# Altium PCB RTM_SFP.PcbDoc (part 10 of 17) (continued)
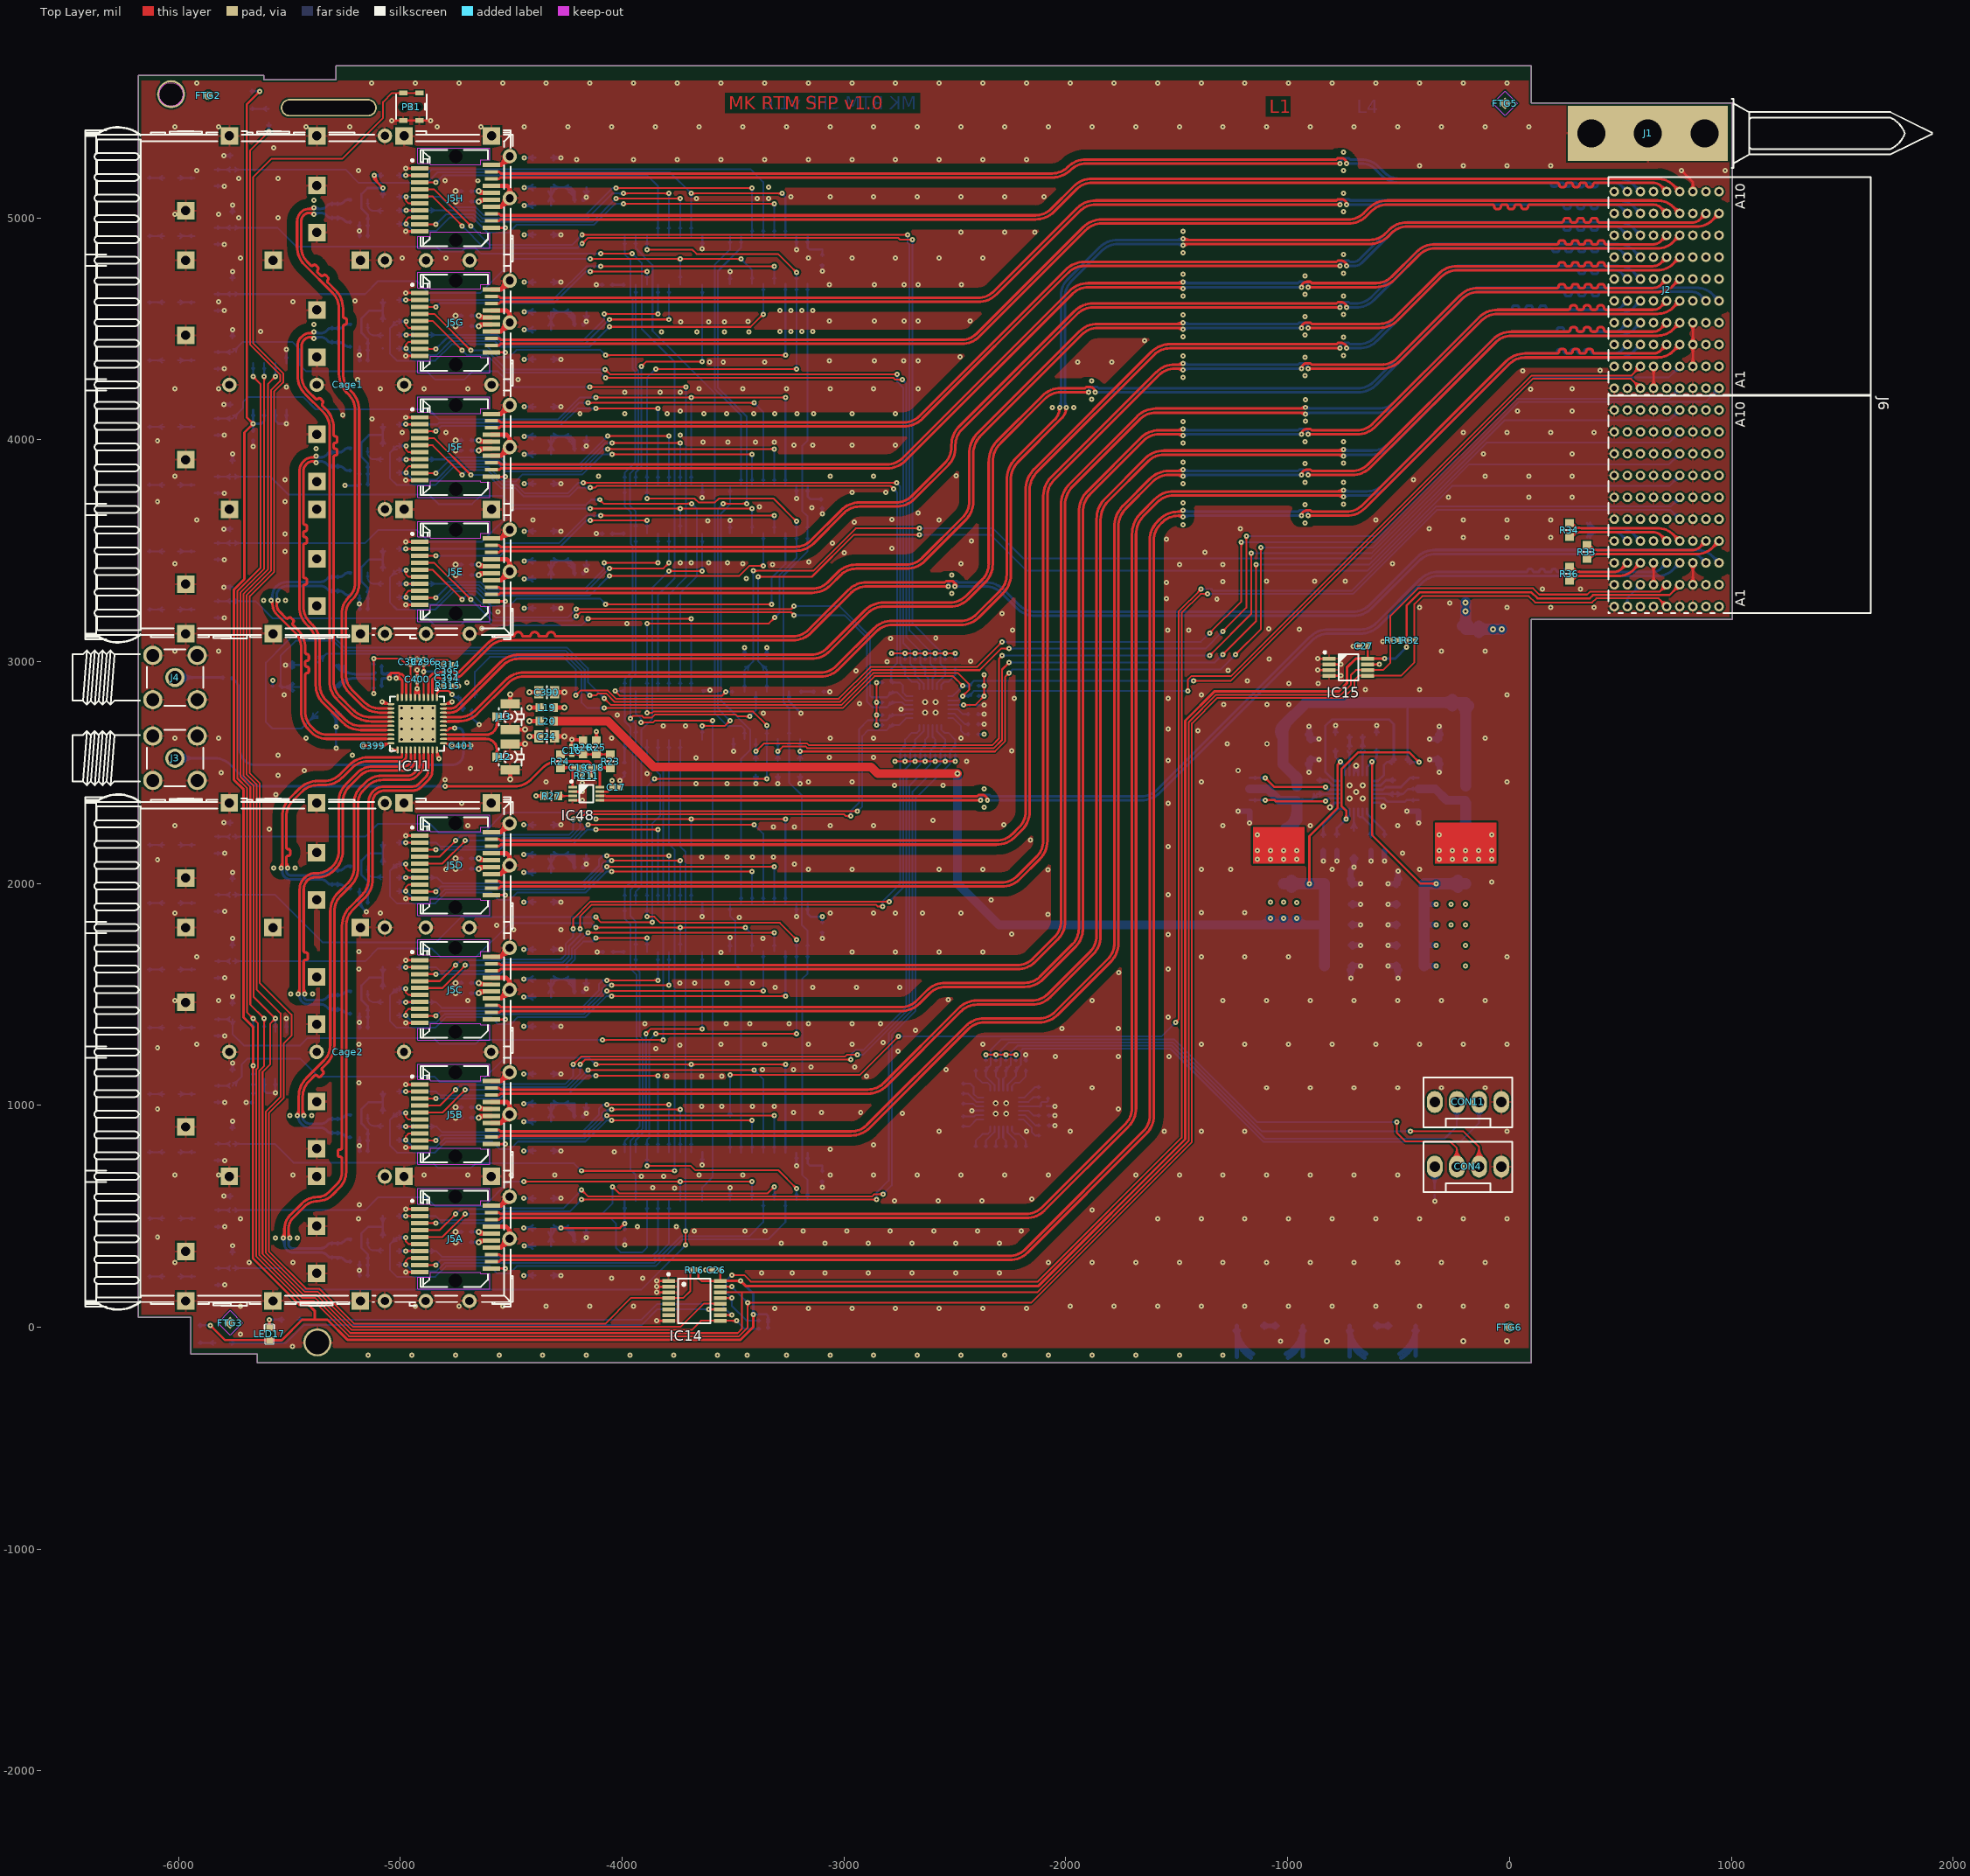
[diagram p0: Top Layer view]
## Nets (pads, with @x,y where several pads share a name; then routed paths per layer and width w, separated by ;. In a path a pad name is that pad's centre, name@x,y a point inside that pad or via, vN(x,y) a via of type N, cw(c..) or ccw(c..) an arc to the next point about the centre after c; other vN are vias at no path point) (continued)
RTM_IO3: IC1.3 J6.C8 R13.2 | length 6160.2
  Top Layer w7.99: v1@-1292.69,3031.53 cw(c-1279.45,3028.82) -1282.95,3041.88 ; v1(-1292.52,3031.5) -1142.52,3181.5 v1(-1142.52,3437.4) ; v1@-1292.48,3031.32 ccw(c-1295.2,3044.56) -1282.14,3041.07 ; -1279.18,3044.84 cw(c-1292.52,3058.18) -1292.52,3039.31 ccw(c-1292.52,3058.18) -1279.18,3044.84 ; -1279.18,3044.84 ccw(c-1265.84,3031.5) -1284.7,3031.5 cw(c-1265.84,3031.5) -1279.18,3044.84 ; -1142.52,3418.53 cw(c-1123.65,3418.53) -1136.99,3431.88 ccw(c-1123.65,3418.53) -1142.52,3418.53 ; -1142.52,3418.53 ccw(c-1161.39,3418.53) -1148.05,3431.88 cw(c-1161.39,3418.53) -1142.52,3418.53
  Top Layer w8: v1@-3298.22,2594.92 cw(c-3284.99,2592.21) -3288.49,2605.25 ; v1@-3297.99,2594.7 ccw(c-3300.7,2607.92) -3287.66,2604.43 ; v1(-3298.03,2594.88) -3276.22,2616.69 -3172.38,2616.69 -3164.57,2608.88 -2325.88,2608.88 -2287.62,2647.14 -2287.62,2964.35 v1(-2255.91,2996.06) ; -2266.27,2986.52 cw(c-2253.24,2983.02) v1@-2255.94,2996.25 ; -2265.45,2985.69 ccw(c-2268.94,2998.73) v1@-2255.72,2996.03 ; -3284.7,2608.22 cw(c-3298.03,2621.55) -3298.03,2602.69 ccw(c-3298.03,2621.55) -3284.7,2608.22 ; -3284.7,2608.22 ccw(c-3271.36,2594.88) -3290.22,2594.88 cw(c-3271.36,2594.88) -3284.7,2608.22 ; -2269.24,2982.73 cw(c-2255.91,2969.39) -2255.91,2988.25 ccw(c-2255.91,2969.39) -2269.24,2982.73 ; -2269.24,2982.73 ccw(c-2282.57,2996.06) -2263.72,2996.06 cw(c-2282.57,2996.06) -2269.24,2982.73
  Bottom Layer w7.99: v1(-1142.52,3437.4) -633.01,3437.4 -623.59,3446.82 ; -620.41,3450 -623.59,3446.82 ; 742.85,3912.69 ccw(c734.52,3943.81) J6.C8@766.08,3937.34 ; 743.4,3912.15 cw(c774.52,3903.81) J6.C8@768.05,3935.37 ; 746.74,3924.64 cw(c771.61,3917.98) J6.C8@766.45,3943.2 ; 755.35,3916.04 ccw(c748.68,3940.91) J6.C8@773.91,3935.74 ; J6.C8@767.72,3937.01 720.08,3889.37 -181.04,3889.37 -623.59,3446.82 ; -1123.65,3437.4 cw(c-1123.65,3456.27) -1136.99,3442.93 ccw(c-1123.65,3456.27) -1123.65,3437.4 ; -1123.65,3437.4 ccw(c-1123.65,3418.53) -1136.99,3431.88 cw(c-1123.65,3418.53) -1123.65,3437.4 ; 737.57,3906.86 cw(c767.72,3876.72) 767.72,3919.35 ccw(c767.72,3876.72) 737.57,3906.86 ; 737.57,3906.86 ccw(c707.43,3937.01) 750.06,3937.01 cw(c707.43,3937.01) 737.57,3906.86 ; 751.22,3920.51 cw(c767.72,3904.01) 767.72,3927.34 ccw(c767.72,3904.01) 751.22,3920.51 ; 751.22,3920.51 ccw(c734.72,3937.01) 758.05,3937.01 cw(c734.72,3937.01) 751.22,3920.51
  Bottom Layer w8: R13.2@-3307.73,2562.85 ccw(c-3331.15,2586.26) -3298.03,2586.26 ccw(c-3264.92,2586.26) R13.2@-3288.33,2562.85 ; v1@-3304.44,2590.42 cw(c-3321.22,2578.73) -3301.47,2573.44 ; IC1.3@-3303.55,2627.35 cw(c-3316.89,2614.02) -3298.03,2614.02 cw(c-3279.17,2614.02) IC1.3@-3292.51,2627.35 ; v1@-3301.94,2588.12 cw(c-3307.56,2578.38) -3296.7,2581.29 ; -3299.36,2581.29 cw(c-3288.5,2578.38) v1@-3294.13,2588.12 ; R13.2@-3298.03,2553.15 v1(-3298.03,2594.88) IC1.3@-3298.03,2651.57 ; -3294.6,2573.44 cw(c-3274.85,2578.73) v1@-3291.62,2590.42 ; v1(-2255.91,2996.06) -1327.95,2996.06 v1(-1292.52,3031.5) ; -3298.03,2576.02 cw(c-3279.17,2576.02) -3292.51,2589.36 ccw(c-3279.17,2576.02) -3298.03,2576.02 ; -3298.03,2576.02 ccw(c-3316.89,2576.02) -3303.55,2589.36 cw(c-3316.89,2576.02) -3298.03,2576.02 ; -3298.03,2613.74 cw(c-3316.89,2613.74) -3303.55,2600.41 ccw(c-3316.89,2613.74) -3298.03,2613.74 ; -3298.03,2613.74 ccw(c-3279.17,2613.74) -3292.51,2600.41 cw(c-3279.17,2613.74) -3298.03,2613.74 ; -2237.05,2996.06 cw(c-2237.05,3014.92) -2250.38,3001.59 ccw(c-2237.05,3014.92) -2237.05,2996.06 ; -2237.05,2996.06 ccw(c-2237.05,2977.21) -2250.38,2990.54 cw(c-2237.05,2977.21) -2237.05,2996.06 ; -1305.85,3018.16 cw(c-1292.52,3004.83) -1292.52,3023.68 ccw(c-1292.52,3004.83) -1305.85,3018.16 ; -1305.85,3018.16 ccw(c-1319.19,3031.5) -1300.33,3031.5 cw(c-1319.19,3031.5) -1305.85,3018.16
RTM_IO4: IC1.9 J6.C9 R2.2 | length 5816.3
  Top Layer w7.99: v1(-3409.84,3409.06) -3138.58,3409.06 -2946.85,3600.79 v1(-2660.24,3600.79) ; -3390.98,3409.06 cw(c-3390.98,3427.92) -3404.32,3414.58 ccw(c-3390.98,3427.92) -3390.98,3409.06 ; -3390.98,3409.06 ccw(c-3390.98,3390.19) -3404.32,3403.53 cw(c-3390.98,3390.19) -3390.98,3409.06 ; -2679.1,3600.79 cw(c-2679.1,3581.92) -2665.76,3595.26 ccw(c-2679.1,3581.92) -2679.1,3600.79 ; -2679.1,3600.79 ccw(c-2679.1,3619.65) -2665.76,3606.31 cw(c-2679.1,3619.65) -2679.1,3600.79
  Bottom Layer w7.99: R2.2@-3457.73,2952.9 cw(c-3481.16,2929.47) -3448.03,2929.47 cw(c-3414.91,2929.47) R2.2@-3438.33,2952.9 ; IC1.9@-3453.56,2888.4 ccw(c-3466.9,2901.74) -3448.03,2901.74 ccw(c-3429.16,2901.74) IC1.9@-3442.51,2888.4 ; IC1.9@-3448.03,2864.17 R2.2@-3448.03,2962.6 -3409.84,3000.79 v1(-3409.84,3409.06) ; R2.2@-3446.06,2976.32 ccw(c-3446.06,3004.69) -3426,2984.63 ; R2.2@-3432.34,2962.6 cw(c-3394.47,2962.6) -3421.25,2989.38 ; v1(-2660.24,3600.79) -2328.4,3600.79 -2192.96,3465.35 -624.86,3465.35 -103.2,3987.01 719.29,3987.01 J6.C9@767.72,4035.43 ; 742.85,4011.11 ccw(c734.52,4042.23) J6.C9@766.08,4035.77 ; 743.4,4010.57 cw(c774.52,4002.23) J6.C9@768.05,4033.79 ; 746.74,4023.06 cw(c771.61,4016.4) J6.C9@766.45,4041.62 ; 755.35,4014.46 ccw(c748.68,4039.33) J6.C9@773.91,4034.17 ; -3409.84,3390.19 cw(c-3390.98,3390.19) -3404.32,3403.53 ccw(c-3390.98,3390.19) -3409.84,3390.19 ; -3409.84,3390.19 ccw(c-3428.71,3390.19) -3415.37,3403.53 cw(c-3428.71,3390.19) -3409.84,3390.19 ; -2641.37,3600.79 cw(c-2641.37,3619.65) -2654.71,3606.31 ccw(c-2641.37,3619.65) -2641.37,3600.79 ; -2641.37,3600.79 ccw(c-2641.37,3581.92) -2654.71,3595.26 cw(c-2641.37,3581.92) -2641.37,3600.79 ; 737.57,4005.29 cw(c767.72,3975.15) 767.72,4017.78 ccw(c767.72,3975.15) 737.57,4005.29 ; 737.57,4005.29 ccw(c707.43,4035.43) 750.06,4035.43 cw(c707.43,4035.43) 737.57,4005.29 ; 751.22,4018.93 cw(c767.72,4002.43) 767.72,4025.77 ccw(c767.72,4002.43) 751.22,4018.93 ; 751.22,4018.93 ccw(c734.72,4035.43) 758.05,4035.43 cw(c734.72,4035.43) 751.22,4018.93
RTM_IO5: IC1.5 J6.C10 R3.2 | length 6372.1
  Top Layer w7.99: v1@-1352.14,3027.2 cw(c-1338.9,3024.49) -1342.4,3037.54 ; v1(-1351.97,3027.17) -1164.57,3214.57 v1(-1164.57,3488.98) ; v1@-1351.93,3026.99 ccw(c-1354.64,3040.23) -1341.59,3036.73 ; -1338.63,3040.51 cw(c-1351.97,3053.85) -1351.97,3034.98 ccw(c-1351.97,3053.85) -1338.63,3040.51 ; -1338.63,3040.51 ccw(c-1325.29,3027.17) -1344.15,3027.17 cw(c-1325.29,3027.17) -1338.63,3040.51 ; -1164.57,3470.11 cw(c-1145.7,3470.11) -1159.04,3483.45 ccw(c-1145.7,3470.11) -1164.57,3470.11 ; -1164.57,3470.11 ccw(c-1183.43,3470.11) -1170.09,3483.45 cw(c-1183.43,3470.11) -1164.57,3470.11
  Top Layer w8: v1@-3397.82,2594.92 cw(c-3384.6,2592.21) -3388.09,2605.25 ; v1@-3397.6,2594.7 ccw(c-3400.31,2607.92) -3387.27,2604.43 ; v1(-3397.64,2594.88) -3361.83,2630.69 -3165.73,2630.69 -3157.92,2622.88 -2331.68,2622.88 -2301.62,2652.94 -2301.62,3012.55 v1(-2287.01,3027.17) ; -2297.38,3017.62 cw(c-2284.34,3014.13) v1@-2287.05,3027.35 ; -2296.55,3016.8 ccw(c-2300.05,3029.84) v1@-2286.82,3027.13 ; -3384.3,2608.22 cw(c-3397.64,2621.55) -3397.64,2602.69 ccw(c-3397.64,2621.55) -3384.3,2608.22 ; -3384.3,2608.22 ccw(c-3370.97,2594.88) -3389.83,2594.88 cw(c-3370.97,2594.88) -3384.3,2608.22 ; -2300.34,3013.83 cw(c-2287.01,3000.5) -2287.01,3019.35 ccw(c-2287.01,3000.5) -2300.34,3013.83 ; -2300.34,3013.83 ccw(c-2313.68,3027.17) -2294.82,3027.17 cw(c-2313.68,3027.17) -2300.34,3013.83
  Bottom Layer w7.99: v1(-1164.57,3488.98) -621.03,3488.98 -459.33,3650.67 -22.21,4087.8 721.65,4087.8 J6.C10@767.72,4133.86 ; 742.85,4109.54 ccw(c734.52,4140.66) J6.C10@766.08,4134.19 ; 743.4,4109 cw(c774.52,4100.66) J6.C10@768.05,4132.22 ; 746.74,4121.49 cw(c771.61,4114.83) J6.C10@766.45,4140.05 ; 755.35,4112.89 ccw(c748.68,4137.76) J6.C10@773.91,4132.59 ; -1145.7,3488.98 cw(c-1145.7,3507.84) -1159.04,3494.5 ccw(c-1145.7,3507.84) -1145.7,3488.98 ; -1145.7,3488.98 ccw(c-1145.7,3470.11) -1159.04,3483.45 cw(c-1145.7,3470.11) -1145.7,3488.98 ; 737.57,4103.72 cw(c767.72,4073.57) 767.72,4116.2 ccw(c767.72,4073.57) 737.57,4103.72 ; 737.57,4103.72 ccw(c707.43,4133.86) 750.06,4133.86 cw(c707.43,4133.86) 737.57,4103.72 ; 751.22,4117.36 cw(c767.72,4100.86) 767.72,4124.19 ccw(c767.72,4100.86) 751.22,4117.36 ; 751.22,4117.36 ccw(c734.72,4133.86) 758.05,4133.86 cw(c734.72,4133.86) 751.22,4117.36
  Bottom Layer w8: R3.2@-3407.34,2562.85 ccw(c-3430.75,2586.26) -3397.64,2586.26 ccw(c-3364.52,2586.26) R3.2@-3387.94,2562.85 ; v1@-3404.05,2590.42 cw(c-3420.82,2578.73) -3401.07,2573.44 ; IC1.5@-3403.55,2627.35 cw(c-3417.84,2613.07) -3397.64,2613.07 ; v1@-3401.54,2588.12 cw(c-3407.16,2578.38) -3396.31,2581.29 ; -3398.97,2581.29 cw(c-3388.11,2578.38) v1@-3393.73,2588.12 ; R3.2@-3397.64,2553.15 v1(-3397.64,2594.88) IC1.5@-3397.64,2651.18 ; -3397.64,2614.97 cw(c-3380.12,2614.97) IC1.5@-3392.51,2627.35 ; -3394.2,2573.44 cw(c-3374.45,2578.73) v1@-3391.23,2590.42 ; v1(-2287.01,3027.17) v1(-1351.97,3027.17) ; -3397.64,2576.02 cw(c-3378.78,2576.02) -3392.11,2589.36 ccw(c-3378.78,2576.02) -3397.64,2576.02 ; -3397.64,2576.02 ccw(c-3416.5,2576.02) -3403.16,2589.36 cw(c-3416.5,2576.02) -3397.64,2576.02 ; -3397.64,2613.74 cw(c-3416.5,2613.74) -3403.16,2600.41 ccw(c-3416.5,2613.74) -3397.64,2613.74 ; -3397.64,2613.74 ccw(c-3378.78,2613.74) -3392.11,2600.41 cw(c-3378.78,2613.74) -3397.64,2613.74 ; -2268.15,3027.17 cw(c-2268.15,3046.02) -2281.48,3032.69 ccw(c-2268.15,3046.02) -2268.15,3027.17 ; -2268.15,3027.17 ccw(c-2268.15,3008.31) -2281.48,3021.64 cw(c-2268.15,3008.31) -2268.15,3027.17 ; -1370.83,3027.17 cw(c-1370.83,3008.31) -1357.49,3021.64 ccw(c-1370.83,3008.31) -1370.83,3027.17 ; -1370.83,3027.17 ccw(c-1370.83,3046.02) -1357.49,3032.69 cw(c-1370.83,3046.02) -1370.83,3027.17
RTM_IO6: IC1.1 J2.A1 R4.2 | length 6368.5
  Top Layer w7.99: v1@-1235.61,3031.53 cw(c-1222.37,3028.82) -1225.86,3041.88 ; v1@-1235.4,3031.32 ccw(c-1238.11,3044.56) -1225.05,3041.07 ; v1(-1235.43,3031.5) -1120.47,3146.46 v1(-1120.47,3514.17) ; -1222.09,3044.84 cw(c-1235.43,3058.18) -1235.43,3039.31 ccw(c-1235.43,3058.18) -1222.09,3044.84 ; -1222.09,3044.84 ccw(c-1208.75,3031.5) -1227.62,3031.5 cw(c-1208.75,3031.5) -1222.09,3044.84 ; -1120.47,3495.31 cw(c-1101.61,3495.31) -1114.95,3508.65 ccw(c-1101.61,3495.31) -1120.47,3495.31 ; -1120.47,3495.31 ccw(c-1139.34,3495.31) -1126,3508.65 cw(c-1139.34,3495.31) -1120.47,3495.31
  Top Layer w8: v1(-3198.03,2594.88) -2320.08,2594.88 -2273.62,2641.34 -2273.62,2931.5 v1(-2255.91,2949.21) ; -2266.27,2939.67 cw(c-2253.24,2936.17) v1@-2255.94,2949.4 ; -2265.45,2938.84 ccw(c-2268.94,2951.88) v1@-2255.72,2949.17 ; -3179.17,2594.88 cw(c-3179.17,2613.74) -3192.51,2600.41 ccw(c-3179.17,2613.74) -3179.17,2594.88 ; -3179.17,2594.88 ccw(c-3179.17,2576.02) -3192.51,2589.36 cw(c-3179.17,2576.02) -3179.17,2594.88 ; -2269.24,2935.88 cw(c-2255.91,2922.54) -2255.91,2941.4 ccw(c-2255.91,2922.54) -2269.24,2935.88 ; -2269.24,2935.88 ccw(c-2282.57,2949.21) -2263.72,2949.21 cw(c-2282.57,2949.21) -2269.24,2935.88
  Bottom Layer w7.99: v1(-1120.47,3514.17) -615.63,3514.17 -469.23,3660.57 40.22,4170.03 882.63,4170.03 J2.A1@944.88,4232.28 ; 920.02,4207.96 ccw(c911.68,4239.08) J2.A1@943.24,4232.62 ; 920.56,4207.42 cw(c951.68,4199.08) J2.A1@945.22,4230.64 ; 923.91,4219.91 cw(c948.78,4213.25) J2.A1@943.61,4238.47 ; 932.51,4211.31 ccw(c925.85,4236.18) J2.A1@951.07,4231.02 ; -1101.61,3514.17 cw(c-1101.61,3533.04) -1114.95,3519.7 ccw(c-1101.61,3533.04) -1101.61,3514.17 ; -1101.61,3514.17 ccw(c-1101.61,3495.31) -1114.95,3508.65 cw(c-1101.61,3495.31) -1101.61,3514.17 ; 914.74,4202.14 cw(c944.88,4172) 944.88,4214.63 ccw(c944.88,4172) 914.74,4202.14 ; 914.74,4202.14 ccw(c884.6,4232.28) 927.22,4232.28 cw(c884.6,4232.28) 914.74,4202.14 ; 928.38,4215.78 cw(c944.88,4199.28) 944.88,4222.62 ccw(c944.88,4199.28) 928.38,4215.78 ; 928.38,4215.78 ccw(c911.88,4232.28) 935.22,4232.28 cw(c911.88,4232.28) 928.38,4215.78
  Bottom Layer w8: R4.2@-3207.73,2562.85 ccw(c-3231.15,2586.26) -3198.03,2586.26 ccw(c-3164.92,2586.26) R4.2@-3188.33,2562.85 ; v1@-3204.44,2590.42 cw(c-3221.22,2578.73) -3201.47,2573.44 ; IC1.1@-3203.55,2627.35 cw(c-3216.89,2614.02) -3198.03,2614.02 cw(c-3179.17,2614.02) IC1.1@-3192.51,2627.35 ; v1@-3201.94,2588.12 cw(c-3207.56,2578.38) -3196.7,2581.29 ; -3199.36,2581.29 cw(c-3188.5,2578.38) v1@-3194.13,2588.12 ; R4.2@-3198.03,2553.15 v1(-3198.03,2594.88) IC1.1@-3198.03,2651.57 ; -3194.6,2573.44 cw(c-3174.85,2578.73) v1@-3191.62,2590.42 ; v1(-2255.91,2949.21) -2240.16,2964.96 -1301.97,2964.96 v1(-1235.43,3031.5) ; -3198.03,2576.02 cw(c-3179.17,2576.02) -3192.51,2589.36 ccw(c-3179.17,2576.02) -3198.03,2576.02 ; -3198.03,2576.02 ccw(c-3216.89,2576.02) -3203.55,2589.36 cw(c-3216.89,2576.02) -3198.03,2576.02 ; -3198.03,2613.74 cw(c-3216.89,2613.74) -3203.55,2600.41 ccw(c-3216.89,2613.74) -3198.03,2613.74 ; -3198.03,2613.74 ccw(c-3179.17,2613.74) -3192.51,2600.41 cw(c-3179.17,2613.74) -3198.03,2613.74 ; -2242.57,2962.55 cw(c-2255.91,2975.88) -2255.91,2957.02 ccw(c-2255.91,2975.88) -2242.57,2962.55 ; -2242.57,2962.55 ccw(c-2229.24,2949.21) -2248.09,2949.21 cw(c-2229.24,2949.21) -2242.57,2962.55 ; -1248.77,3018.16 cw(c-1235.43,3004.83) -1235.43,3023.68 ccw(c-1235.43,3004.83) -1248.77,3018.16 ; -1248.77,3018.16 ccw(c-1262.1,3031.5) -1243.24,3031.5 cw(c-1262.1,3031.5) -1248.77,3018.16
RTM_IO7: J2.A2
RTM_IO8: J2.C1 R391.2 | length 7431.6
  Top Layer w7.99: v1@-4208.83,2847.67 cw(c-4195.59,2844.96) -4199.09,2858.02 ; v1(-4208.66,2847.64) -4185.85,2870.44 -4066.67,2870.44 -4028.75,2832.53 -3023.58,2832.53 -2880.08,2976.03 -2474.64,2976.03 -2474.02,2975.41 -2400.97,2975.41 v1(-2287.01,3089.37) ; v1@-4208.63,2847.46 ccw(c-4211.34,2860.7) -4198.28,2857.21 ; -2297.39,3079.8 cw(c-2284.33,3076.3) v1@-2287.04,3089.54 ; -2296.58,3078.99 ccw(c-2300.07,3092.05) v1@-2286.83,3089.33 ; v1@-1352.14,3128.78 cw(c-1338.57,3125.75) -1342.17,3139.18 ; v1@-1351.94,3128.57 ccw(c-1354.34,3141.48) -1341.65,3138.08 ; v1@-1351.77,3128.54 -1208.66,3271.65 v1(-1208.66,3537.8) ; -4195.32,2860.98 cw(c-4208.66,2874.32) -4208.66,2855.45 ccw(c-4208.66,2874.32) -4195.32,2860.98 ; -4195.32,2860.98 ccw(c-4181.98,2847.64) -4200.85,2847.64 cw(c-4181.98,2847.64) -4195.32,2860.98 ; -2300.35,3076.03 cw(c-2287.01,3062.69) -2287.01,3081.56 ccw(c-2287.01,3062.69) -2300.35,3076.03 ; -2300.35,3076.03 ccw(c-2313.69,3089.37) -2294.82,3089.37 cw(c-2313.69,3089.37) -2300.35,3076.03 ; -1208.66,3518.93 cw(c-1189.79,3518.93) -1203.14,3532.27 ccw(c-1189.79,3518.93) -1208.66,3518.93 ; -1208.66,3518.93 ccw(c-1227.53,3518.93) -1214.19,3532.27 cw(c-1227.53,3518.93) -1208.66,3518.93 ; v1@-1351.97,3136.56 ccw(c-1351.97,3156.37) -1337.96,3142.36 cw(c-1351.97,3156.37) v1@-1351.97,3136.56 ; v1@-1344.15,3128.74 cw(c-1326.24,3128.74) -1338.91,3141.41 ccw(c-1326.24,3128.74) v1@-1344.15,3128.74
  Bottom Layer w7.99: R391.2@-4673.48,2849.86 ccw(c-4696.9,2873.28) -4663.78,2873.28 ccw(c-4630.66,2873.28) R391.2@-4654.08,2849.86 ; R391.2@-4663.78,2838.19 -4663.78,2953.94 -4596.67,3021.05 -4265.93,3021.05 -4208.66,2963.78 v1(-4208.66,2847.64) ; v1@-2290.94,3089.37 -1391.34,3089.37 v1(-1351.97,3128.74) ; v1(-1208.66,3537.8) -611.81,3537.8 -479.13,3670.47 34.43,4184.03 719.46,4184.03 J2.C1@767.72,4232.28 ; 742.85,4207.96 ccw(c734.52,4239.08) J2.C1@766.08,4232.62 ; 743.4,4207.42 cw(c774.52,4199.08) J2.C1@768.05,4230.64 ; 746.74,4219.91 cw(c771.61,4213.25) J2.C1@766.45,4238.47 ; 755.35,4211.31 ccw(c748.68,4236.18) J2.C1@773.91,4231.02 ; -4208.66,2866.5 cw(c-4227.53,2866.5) -4214.19,2853.16 ccw(c-4227.53,2866.5) -4208.66,2866.5 ; -4208.66,2866.5 ccw(c-4189.79,2866.5) -4203.14,2853.16 cw(c-4189.79,2866.5) -4208.66,2866.5 ; -2268.14,3089.37 cw(c-2268.14,3108.24) -2281.48,3094.9 ccw(c-2268.14,3108.24) -2268.14,3089.37 ; -2268.14,3089.37 ccw(c-2268.14,3070.5) -2281.48,3083.84 cw(c-2268.14,3070.5) -2268.14,3089.37 ; -1365.31,3115.4 cw(c-1351.97,3102.06) -1351.97,3120.93 ccw(c-1351.97,3102.06) -1365.31,3115.4 ; -1365.31,3115.4 ccw(c-1378.65,3128.74) -1359.78,3128.74 cw(c-1378.65,3128.74) -1365.31,3115.4 ; -1189.79,3537.8 cw(c-1189.79,3556.66) -1203.14,3543.32 ccw(c-1189.79,3556.66) -1189.79,3537.8 ; -1189.79,3537.8 ccw(c-1189.79,3518.93) -1203.14,3532.27 cw(c-1189.79,3518.93) -1189.79,3537.8 ; 737.57,4202.14 cw(c767.72,4172) 767.72,4214.63 ccw(c767.72,4172) 737.57,4202.14 ; 737.57,4202.14 ccw(c707.43,4232.28) 750.06,4232.28 cw(c707.43,4232.28) 737.57,4202.14 ; 751.22,4215.78 cw(c767.72,4199.28) 767.72,4222.62 ccw(c767.72,4199.28) 751.22,4215.78 ; 751.22,4215.78 ccw(c734.72,4232.28) 758.05,4232.28 cw(c734.72,4232.28) 751.22,4215.78
RTM_IO9: J2.C2 OSC1.2 R311.1 | length 8646.7
  Top Layer w7.99: v1(-4145.28,2847.64) -4117.72,2847.64 -4108.9,2856.45 -4072.46,2856.45 -4034.55,2818.54 -3017.79,2818.54 -2874.28,2962.04 -2480.44,2962.04 -2479.82,2961.42 -2388.58,2961.42 -2291.73,3058.27 v1(-2255.91,3058.27) ; v1@-1292.91,3136.22 -1186.61,3242.52 v1(-1186.61,3564.96) ; v1@-1292.69,3135.86 cw(c-1280.1,3133.75) -1283.41,3146.08 ; v1@-1292.48,3135.65 ccw(c-1295.83,3149.55) -1282.02,3145.85 ; -4126.41,2847.64 cw(c-4126.41,2866.5) -4139.75,2853.16 ccw(c-4126.41,2866.5) -4126.41,2847.64 ; -4126.41,2847.64 ccw(c-4126.41,2828.77) -4139.75,2842.11 cw(c-4126.41,2828.77) -4126.41,2847.64 ; -2274.77,3058.27 cw(c-2274.77,3039.4) -2261.43,3052.74 ccw(c-2274.77,3039.4) -2274.77,3058.27 ; -2274.77,3058.27 ccw(c-2274.77,3077.13) -2261.43,3063.79 cw(c-2274.77,3077.13) -2274.77,3058.27 ; -1186.61,3546.09 cw(c-1167.75,3546.09) -1181.09,3559.43 ccw(c-1167.75,3546.09) -1186.61,3546.09 ; -1186.61,3546.09 ccw(c-1205.48,3546.09) -1192.14,3559.43 cw(c-1205.48,3546.09) -1186.61,3546.09 ; v1@-1292.52,3143.64 ccw(c-1292.52,3160.61) -1280.52,3148.61 cw(c-1292.52,3160.61) v1@-1292.52,3143.64 ; v1@-1284.7,3135.83 cw(c-1263.94,3135.83) -1278.62,3150.51 ccw(c-1263.94,3135.83) v1@-1284.7,3135.83
  Bottom Layer w7.99: R311.1@-5546.08,2890.17 ccw(c-5559.42,2903.51) -5540.55,2903.51 ccw(c-5521.68,2903.51) -5535.03,2890.17 ccw(c-5521.68,2903.51) -5521.68,2884.65 ccw(c-5521.68,2865.78) R311.1@-5535.03,2879.12 ; OSC1.2@-5484.81,2863.81 ccw(c-5535.12,2813.5) -5535.12,2884.65 ccw(c-5535.12,2955.79) OSC1.2@-5484.81,2905.48 ; OSC1.2@-5479.16,2869.46 ccw(c-5515.82,2832.8) -5515.82,2884.65 ccw(c-5515.82,2936.49) OSC1.2@-5479.16,2899.83 ; OSC1.2@-5455.12,2884.65 R311.1@-5540.55,2884.65 -5540.55,3025.98 -5472.44,3094.09 -5303.05,3094.09 -5258.77,3049.82 -4255.13,3049.82 -4168.87,2963.56 -4168.87,2871.23 v1(-4145.28,2847.64) ; v1(-2255.91,3058.27) -1370.87,3058.27 v1@-1292.91,3136.22 ; v1(-1186.61,3564.96) -604.43,3564.96 -489.03,3680.37 112.32,4281.72 718.72,4281.72 J2.C2@767.72,4330.71 ; 742.85,4306.39 ccw(c734.52,4337.51) J2.C2@766.08,4331.04 ; 743.4,4305.85 cw(c774.52,4297.51) J2.C2@768.05,4329.07 ; 746.74,4318.34 cw(c771.61,4311.68) J2.C2@766.45,4336.9 ; 755.35,4309.74 ccw(c748.68,4334.61) J2.C2@773.91,4329.44 ; -4158.62,2860.98 cw(c-4171.96,2847.64) -4153.09,2847.64 ccw(c-4171.96,2847.64) -4158.62,2860.98 ; -4158.62,2860.98 ccw(c-4145.28,2874.32) -4145.28,2855.45 cw(c-4145.28,2874.32) -4158.62,2860.98 ; -2237.04,3058.27 cw(c-2237.04,3077.13) -2250.38,3063.79 ccw(c-2237.04,3077.13) -2237.04,3058.27 ; -2237.04,3058.27 ccw(c-2237.04,3039.4) -2250.38,3052.74 cw(c-2237.04,3039.4) -2237.04,3058.27 ; -1167.75,3564.96 cw(c-1167.75,3583.83) -1181.09,3570.49 ccw(c-1167.75,3583.83) -1167.75,3564.96 ; -1167.75,3564.96 ccw(c-1167.75,3546.09) -1181.09,3559.43 cw(c-1167.75,3546.09) -1167.75,3564.96 ; 737.57,4300.57 cw(c767.72,4270.42) 767.72,4313.05 ccw(c767.72,4270.42) 737.57,4300.57 ; 737.57,4300.57 ccw(c707.43,4330.71) 750.06,4330.71 cw(c707.43,4330.71) 737.57,4300.57 ; 751.22,4314.21 cw(c767.72,4297.71) 767.72,4321.04 ccw(c767.72,4297.71) 751.22,4314.21 ; 751.22,4314.21 ccw(c734.72,4330.71) 758.05,4330.71 cw(c734.72,4330.71) 751.22,4314.21 ; -1307.2,3121.93 cw(c-1292.52,3107.24) -1292.52,3128.01 ccw(c-1292.52,3107.24) -1307.2,3121.93 ; -1305.3,3123.83 ccw(c-1317.3,3135.83) -1300.33,3135.83 cw(c-1317.3,3135.83) -1305.3,3123.83
  other v1: -1292.52,3135.83
RTM_IO10: IC39.19 J2.E1 OSC1.8 R325.1 | length 7944.5
  Top Layer w7.99: v1(-4081.5,2790.55) -3006.2,2790.55 -2862.69,2934.06 -2508.27,2934.06 v1(-2464.76,2890.55) ; -2475.14,2900.12 ccw(c-2462.09,2903.62) v1@-2464.8,2890.38 ; -2474.33,2900.93 cw(c-2477.83,2887.88) v1@-2464.59,2890.59 ; -4062.63,2790.55 cw(c-4062.63,2809.42) -4075.97,2796.08 ccw(c-4062.63,2809.42) -4062.63,2790.55 ; -4062.63,2790.55 ccw(c-4062.63,2771.68) -4075.97,2785.03 cw(c-4062.63,2771.68) -4062.63,2790.55 ; -2478.1,2903.89 cw(c-2491.45,2890.55) -2472.58,2890.55 ccw(c-2491.45,2890.55) -2478.1,2903.89 ; -2478.1,2903.89 ccw(c-2464.76,2917.23) -2464.76,2898.37 cw(c-2464.76,2917.23) -2478.1,2903.89
  Top Layer w8: v1(-1423.62,2913.78) -1256.58,2913.78 104.22,4274.59 548.25,4274.59 J2.E1@590.55,4232.28 ; 565.73,4256.59 cw(c557.39,4225.49) J2.E1@588.93,4231.95 ; 566.25,4257.11 ccw(c597.34,4265.44) J2.E1@590.88,4233.9 ; 569.6,4244.6 ccw(c594.44,4251.26) J2.E1@589.28,4226.07 ; 578.23,4253.24 cw(c571.57,4228.4) J2.E1@596.77,4233.56 ; -1404.76,2913.78 cw(c-1404.76,2932.64) -1418.1,2919.3 ccw(c-1404.76,2932.64) -1404.76,2913.78 ; -1404.76,2913.78 ccw(c-1404.76,2894.92) -1418.1,2908.26 cw(c-1404.76,2894.92) -1404.76,2913.78 ; 560.41,4262.42 cw(c530.28,4232.28) 572.9,4232.28 ccw(c530.28,4232.28) 560.41,4262.42 ; 560.41,4262.42 ccw(c590.55,4292.56) 590.55,4249.94 cw(c590.55,4292.56) 560.41,4262.42 ; 574.07,4248.76 cw(c557.59,4232.28) 580.9,4232.28 ccw(c557.59,4232.28) 574.07,4248.76 ; 574.07,4248.76 ccw(c590.55,4265.24) 590.55,4241.94 cw(c590.55,4265.24) 574.07,4248.76
  Bottom Layer w7.99: OSC1.8@-5372.44,2996.95 -5333.56,3035.83 ; OSC1.8@-5370.85,3015.28 ccw(c-5367.2,3046.15) -5345.22,3024.17 ; OSC1.8@-5369.91,3023.22 ccw(c-5364.74,3067) -5333.56,3035.82 ; OSC1.8@-5350.85,3001.77 cw(c-5310.36,3001.77) -5338.99,3030.4 ; v1(-4081.5,2790.55) -4157.87,2790.55 -4182.86,2815.54 -4182.86,2957.76 -4260.92,3035.83 -5333.56,3035.83 ; IC39.19@-2530.26,2843.31 -2512,2843.31 v1(-2464.76,2890.55) R325.1@-2434.65,2890.55 -2434.65,2892.88 -2413.75,2913.78 v1(-1423.62,2913.78) ; IC39.19@-2519.43,2844.24 ccw(c-2519.43,2864.42) -2505.16,2850.15 ; v1@-2458.44,2885.96 cw(c-2451.25,2880.75) -2448.95,2889.33 ; v1@-2458.44,2895.14 ccw(c-2451.25,2900.35) -2448.95,2891.77 ; v1@-2458,2886.64 cw(c-2450.27,2882.18) -2452.58,2890.8 ; v1@-2458,2894.46 ccw(c-2450.27,2898.92) -2452.58,2890.3 ; -2450.46,2889.33 cw(c-2448.16,2880.75) R325.1@-2440.97,2885.96 ; -2450.46,2891.77 ccw(c-2448.16,2900.35) R325.1@-2440.97,2895.14 ; -2446.83,2890.3 ccw(c-2449.14,2898.92) R325.1@-2441.41,2894.46 ; -2446.83,2890.8 cw(c-2449.14,2882.18) R325.1@-2441.41,2886.64 ; R325.1@-2440.17,2885.03 ccw(c-2453.51,2871.68) -2453.51,2890.55 ccw(c-2453.51,2909.42) R325.1@-2440.17,2896.08 ; R325.1@-2434.65,2898.37 ccw(c-2434.65,2911.61) R325.1@-2425.28,2902.24 ; R325.1@-2426.83,2890.55 cw(c-2402.34,2890.55) -2419.66,2907.87 ; -4100.36,2790.55 cw(c-4100.36,2771.68) -4087.02,2785.03 ccw(c-4100.36,2771.68) -4100.36,2790.55 ; -4100.36,2790.55 ccw(c-4100.36,2809.42) -4087.02,2796.08 cw(c-4100.36,2809.42) -4100.36,2790.55 ; -2478.1,2877.21 cw(c-2464.76,2863.87) -2464.76,2882.74 ccw(c-2464.76,2863.87) -2478.1,2877.21 ; -2478.1,2877.21 ccw(c-2491.45,2890.55) -2472.58,2890.55 cw(c-2491.45,2890.55) -2478.1,2877.21 ; R325.1@-2445.9,2890.55 cw(c-2445.9,2909.42) -2459.24,2896.08 ccw(c-2445.9,2909.42) R325.1@-2445.9,2890.55 ; R325.1@-2445.9,2890.55 ccw(c-2445.9,2871.68) -2459.24,2885.03 cw(c-2445.9,2871.68) R325.1@-2445.9,2890.55 ; -1442.49,2913.78 cw(c-1442.49,2894.91) -1429.15,2908.25 ccw(c-1442.49,2894.91) -1442.49,2913.78 ; -1442.49,2913.78 ccw(c-1442.49,2932.65) -1429.15,2919.31 cw(c-1442.49,2932.65) -1442.49,2913.78
RTM_IO11: IC39.20 J2.E2 OSC1.7 R324.1 | length 8902.7
  Top Layer w7.99: v1@-4081.67,2834.61 ccw(c-4068.43,2837.32) -4071.93,2824.27 ; v1(-4081.5,2834.65) -4051.39,2804.54 -3011.99,2804.54 -2868.49,2948.05 -2486.24,2948.05 -2434.65,2896.46 -2434.65,2875.2 v1(-2464.76,2845.08) ; v1@-4081.46,2834.82 cw(c-4084.17,2821.58) -4071.12,2825.08 ; v1@-2464.94,2845.11 cw(c-2451.7,2842.4) -2455.19,2855.46 ; v1@-2464.73,2844.91 ccw(c-2467.44,2858.15) -2454.38,2854.65 ; v1(-1450.43,2866.89) -1450.43,2917.81 -1432.65,2935.59 -1254.57,2935.59 98.43,4288.58 548.43,4288.58 J2.E2@590.55,4330.71 ; 565.69,4306.39 ccw(c557.35,4337.51) J2.E2@588.91,4331.04 ; 566.23,4305.85 cw(c597.35,4297.51) J2.E2@590.89,4329.07 ; 569.58,4318.34 cw(c594.45,4311.68) J2.E2@589.28,4336.9 ; 578.18,4309.74 ccw(c571.52,4334.61) J2.E2@596.74,4329.44 ; -4068.16,2821.3 cw(c-4054.81,2834.65) -4073.68,2834.65 ccw(c-4054.81,2834.65) -4068.16,2821.3 ; -4068.16,2821.3 ccw(c-4081.5,2807.96) -4081.5,2826.83 cw(c-4081.5,2807.96) -4068.16,2821.3 ; -2451.42,2858.42 cw(c-2464.76,2871.76) -2464.76,2852.89 ccw(c-2464.76,2871.76) -2451.42,2858.42 ; -2451.42,2858.42 ccw(c-2438.08,2845.08) -2456.95,2845.08 cw(c-2438.08,2845.08) -2451.42,2858.42 ; -1450.43,2885.76 cw(c-1469.3,2885.76) -1455.96,2872.42 ccw(c-1469.3,2885.76) -1450.43,2885.76 ; -1450.43,2885.76 ccw(c-1431.57,2885.76) -1444.91,2872.42 cw(c-1431.57,2885.76) -1450.43,2885.76 ; 560.41,4300.57 cw(c590.55,4270.42) 590.55,4313.05 ccw(c590.55,4270.42) 560.41,4300.57 ; 560.41,4300.57 ccw(c530.26,4330.71) 572.89,4330.71 cw(c530.26,4330.71) 560.41,4300.57 ; 574.05,4314.21 cw(c590.55,4297.71) 590.55,4321.04 ccw(c590.55,4297.71) 574.05,4314.21 ; 574.05,4314.21 ccw(c557.55,4330.71) 580.89,4330.71 cw(c557.55,4330.71) 574.05,4314.21
  Bottom Layer w7.99: -5417.54,2727.24 cw(c-5372.44,2682.15) OSC1.7@-5372.44,2745.92 ; -5405.89,2738.89 ccw(c-5434.53,2767.52) OSC1.7@-5394.04,2767.52 ; -5403.89,2740.89 cw(c-5372.44,2709.43) OSC1.7@-5372.44,2753.92 ; OSC1.7@-5372.44,2772.34 -5446.36,2698.43 -5577.17,2698.43 -5606.3,2727.56 -5606.3,2995.67 -5520.08,3081.89 -5493.87,3108.09 -5297.25,3108.09 -5252.98,3063.81 -4249.33,3063.81 -4154.87,2969.36 -4154.87,2908.02 v1(-4081.5,2834.65) ; IC39.20@-2530.26,2823.63 -2486.21,2823.63 v1(-2464.76,2845.08) R324.1@-2434.65,2845.08 -2434.65,2847.41 -2415.17,2866.89 v1(-1450.43,2866.89) ; v1@-2458.44,2840.49 cw(c-2451.25,2835.28) -2448.95,2843.86 ; v1@-2458.44,2849.67 ccw(c-2451.25,2854.88) -2448.95,2846.3 ; v1@-2458,2841.17 cw(c-2450.27,2836.71) -2452.58,2845.33 ; v1@-2458,2848.99 ccw(c-2450.27,2853.45) -2452.58,2844.83 ; -2450.46,2843.86 cw(c-2448.16,2835.28) R324.1@-2440.97,2840.49 ; -2450.46,2846.3 ccw(c-2448.16,2854.88) R324.1@-2440.97,2849.67 ; -2446.83,2844.83 ccw(c-2449.14,2853.45) R324.1@-2441.41,2848.99 ; -2446.83,2845.33 cw(c-2449.14,2836.71) R324.1@-2441.41,2841.17 ; R324.1@-2440.17,2839.55 ccw(c-2453.51,2826.21) -2453.51,2845.08 ccw(c-2453.51,2863.95) R324.1@-2440.17,2850.6 ; R324.1@-2434.65,2852.89 ccw(c-2434.65,2866.13) R324.1@-2425.28,2856.77 ; R324.1@-2426.83,2845.08 cw(c-2402.34,2845.08) -2419.66,2862.4 ; -4094.84,2847.99 cw(c-4108.18,2834.65) -4089.31,2834.65 ccw(c-4108.18,2834.65) -4094.84,2847.99 ; -4094.84,2847.99 ccw(c-4081.5,2861.33) -4081.5,2842.46 cw(c-4081.5,2861.33) -4094.84,2847.99 ; -2478.1,2831.74 cw(c-2464.76,2818.4) -2464.76,2837.26 ccw(c-2464.76,2818.4) -2478.1,2831.74 ; -2478.1,2831.74 ccw(c-2491.45,2845.08) -2472.58,2845.08 cw(c-2491.45,2845.08) -2478.1,2831.74 ; R324.1@-2445.9,2845.08 cw(c-2445.9,2863.95) -2459.24,2850.6 ccw(c-2445.9,2863.95) R324.1@-2445.9,2845.08 ; R324.1@-2445.9,2845.08 ccw(c-2445.9,2826.21) -2459.24,2839.55 cw(c-2445.9,2826.21) R324.1@-2445.9,2845.08 ; -1469.3,2866.89 cw(c-1469.3,2848.02) -1455.96,2861.36 ccw(c-1469.3,2848.02) -1469.3,2866.89 ; -1469.3,2866.89 ccw(c-1469.3,2885.76) -1455.96,2872.42 cw(c-1469.3,2885.76) -1469.3,2866.89
RTM_IO12: J6.A7
RTM_LVD0_N: J6.F5
RTM_LVD0_P: J6.E5
RTM_LVD1_N: J6.F6
RTM_LVD1_P: J6.E6
RTM_LVD2_N: J6.F7
RTM_LVD2_P: J6.E7
RTM_LVD3_N: J6.F8
RTM_LVD3_P: J6.E8
RTM_LVD4_N: J6.F9
RTM_LVD4_P: J6.E9
RTM_LVD5_N: J6.F10
RTM_LVD5_P: J6.E10
RTM_LVD6_N: J6.B5
RTM_LVD6_P: J6.A5
RTM_LVD7_N: J6.B6